# Altium PCB Copy of GameBoard_V1I1_083018.PcbDoc (part 16 of 21)
Units mil, origin at the board's own origin, x right, y up, seen from the top; angles counter-clockwise.
Board outline 7165.35 x 2763.78 mil, 12 copper layers (L1, L2, L3, L4, L5 (PWR), L6 (PWR), L7 (PWR), L8 (PWR), L9, L10, L11, L12), stack 61.575 mil thick; 1542 components, 1068 nets, 5447 pads, 3797 vias.
Unrouted connection lines stored in the file: 105.
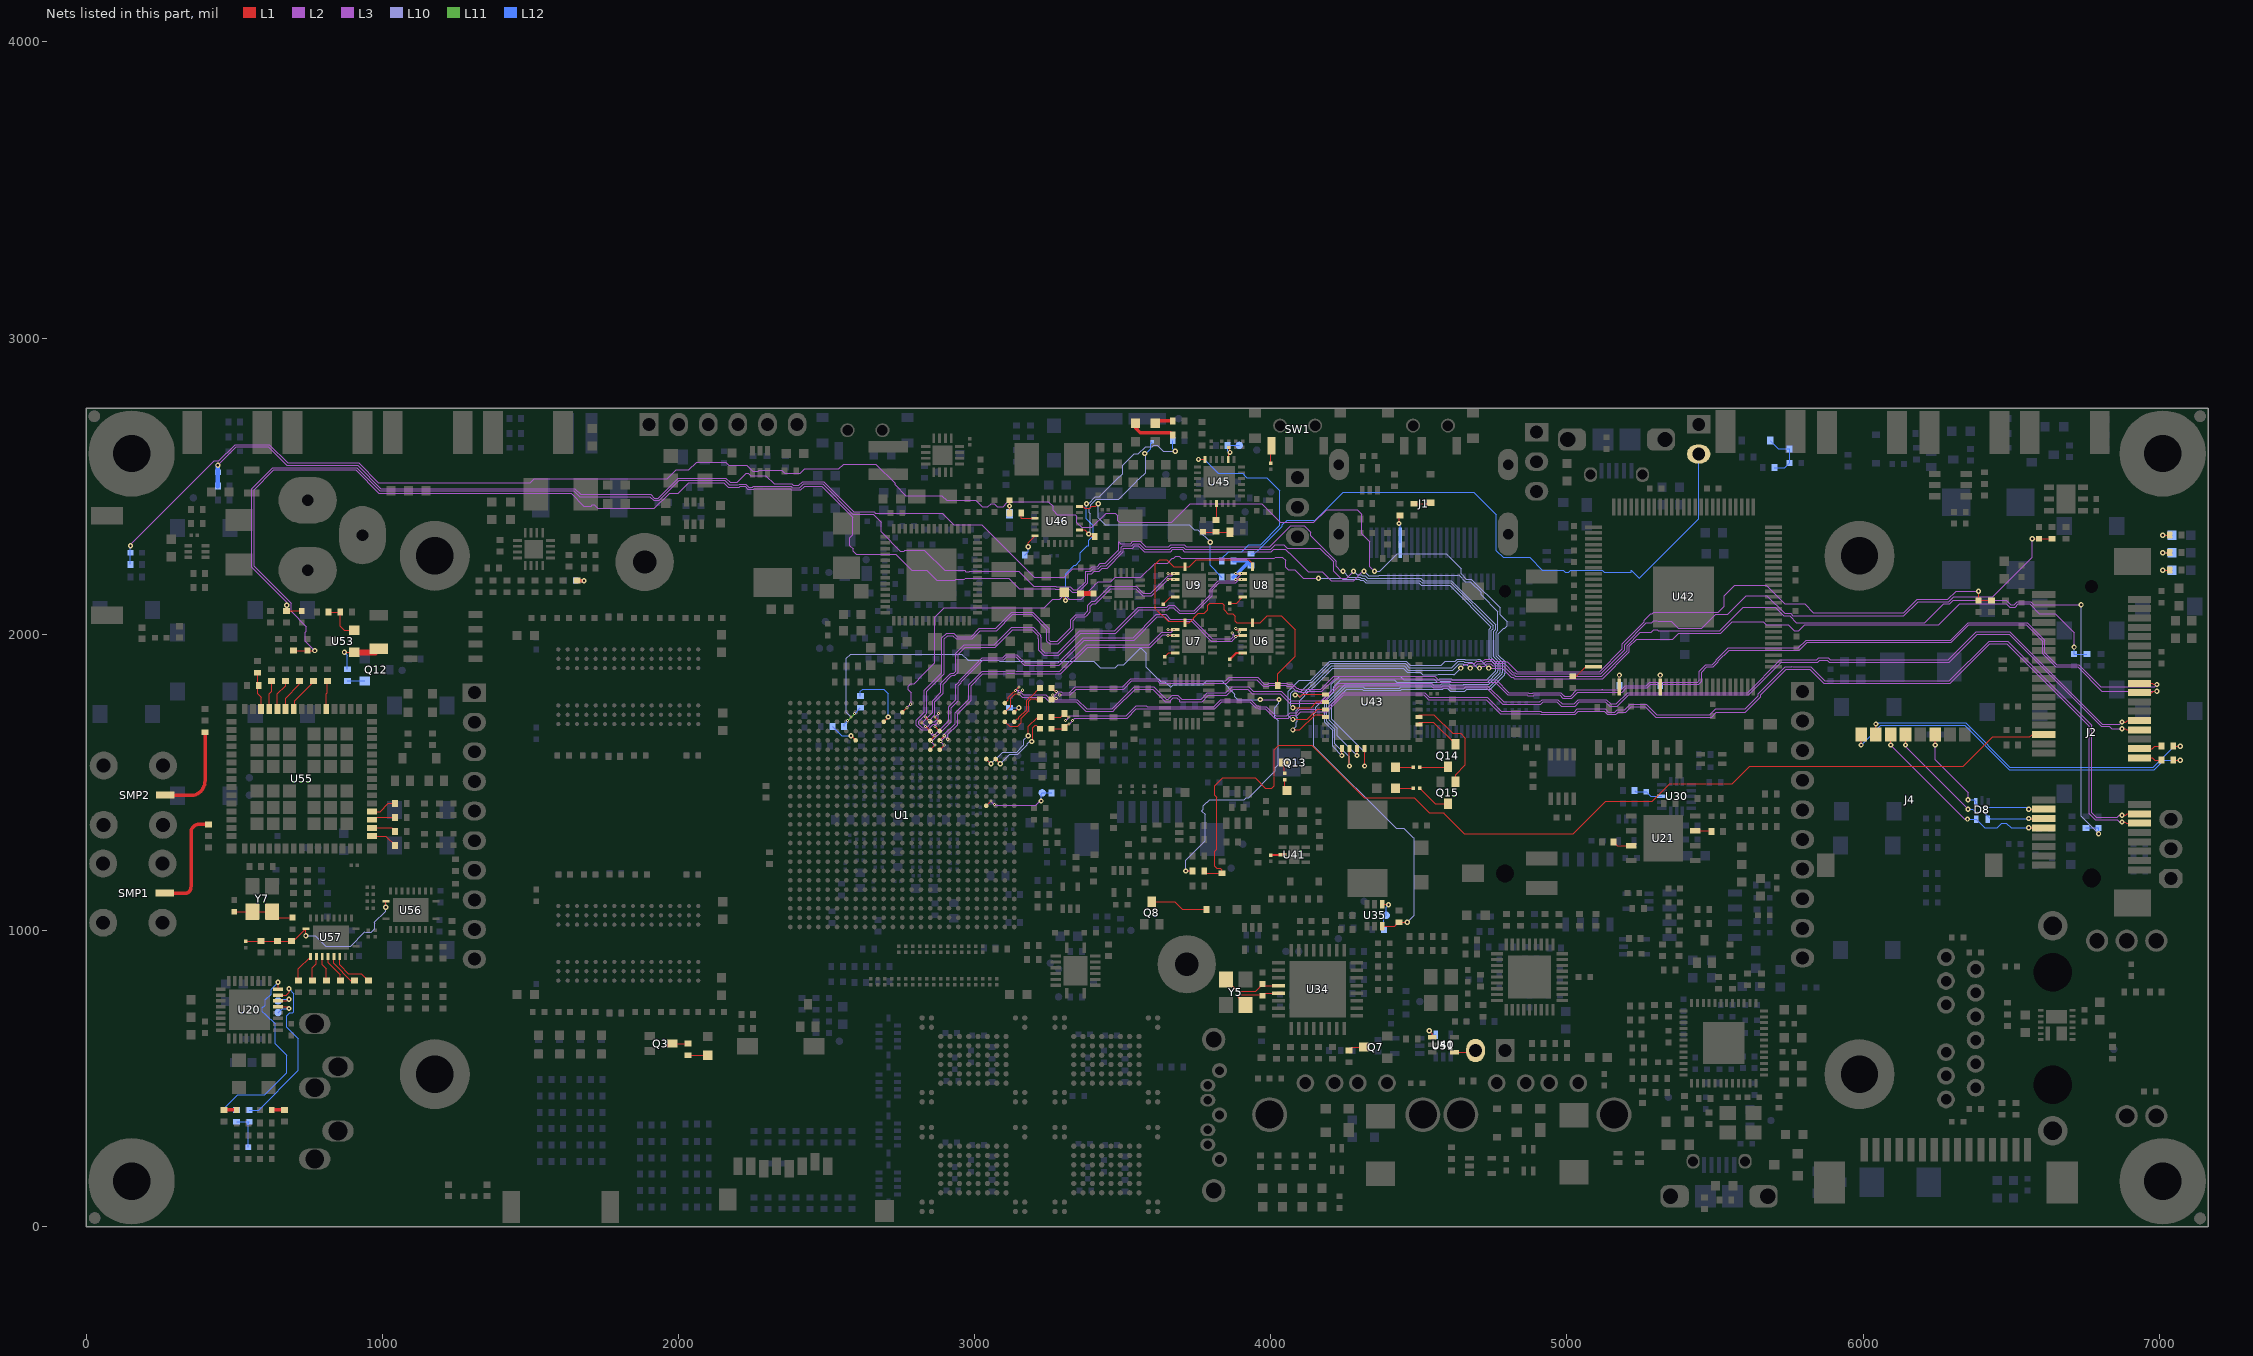
[diagram p26: the nets of this part, all layers, seen from the top]

## Via types
v1: diameter 17.72, hole 7.87, L1 to L12, 1936 vias
v2: diameter 17.72, hole 7.87, L1 to L12, tented both sides, 999 vias
v3: diameter 10.63, hole 3.94, L1 to L2, 337 vias
v4: diameter 10.63, hole 3.94, L2 to L3, 335 vias
v5: diameter 10.63, hole 3.94, L10 to L11, 96 vias
v6: diameter 10.63, hole 3.94, L11 to L12, 94 vias

## Nets (pads, with @x,y where several pads share a name; then routed paths per layer and width w, separated by ;. In a path a pad name is that pad's centre, name@x,y a point inside that pad or via, vN(x,y) a via of type N, cw(c..) or ccw(c..) an arc to the next point about the centre after c; other vN are vias at no path point) (continued)
MCU_SWDIO_SEL: R51.1 U1.N2 U35.6 | length 4302
  L1 w3.94: U1.N2@2755.91,1736.22 v3(2771.65,1751.97) ; U35.6@4375.98,1013.78 4419.29,1013.78 R51.1@4433.07,1027.56 v1(4460.63,1027.56)
  L3 w3.94: v4(2783.46,1763.78) 2786.42,1766.73 2786.42,1802.94 2776.57,1812.78 2776.57,1825.01 2785.22,1833.66 2796.2,1833.66 2826.77,1864.23 2826.77,1864.91 2866.14,1904.28 2866.14,2058.28 2897.43,2089.57 3029.99,2089.57 3235.24,2089.57 3263.78,2118.11 3288.39,2118.11 3288.39,2120.29 3297.03,2128.94 3309.26,2128.94 3317.91,2120.29 3317.91,2118.11 3359.5,2118.11 3406.19,2164.8 3406.19,2166.55 3417.79,2178.15 3460.42,2178.15 3474.2,2191.93 3561.85,2191.93 3610.08,2240.16 3652.35,2240.16 3668.1,2255.91 3672.03,2255.91 3678.92,2262.8 3691.15,2262.8 3698.04,2255.91 4012.23,2255.91 4016.17,2259.84 4039.37,2259.84 4049.99,2249.23 4049.99,2227.15 4058.64,2218.5 4080.71,2218.5 4110.24,2188.98 v1(4161.42,2188.98)
  L10 w3.94: v1(4161.42,2188.98) 4239.48,2188.98 4243.42,2185.04 4299.37,2185.04 4302.32,2182.09 4312.07,2182.09 4320.92,2173.23 4500.16,2173.23 4508.03,2165.35 4603.71,2165.35 4743.11,2025.96 4743.11,2022.79 4737.2,2016.89 4737.2,1916.86 4758.86,1895.2 4758.86,1876.45 4728.86,1846.46 4612.67,1846.46 4609.71,1849.41 4571.39,1849.41 4568.44,1846.46 4448.82,1846.46 4437.01,1858.27 4232.28,1858.27 4204.72,1830.71 4204.72,1807.64 4151.46,1754.37 4151.46,1737.95 4145.67,1732.16 4145.67,1622.05 4423.44,1344.28 4449.8,1344.28 4479.12,1314.96 4481.61,1314.96 4484.25,1312.32 4484.25,1051.18 v1(4460.63,1027.56)
  L2 w3.94: v3(2771.65,1751.97) v4(2783.46,1763.78)
MCU_XTALIN: C330.2 U34.4 Y5.1 | length 206.3
  L1 w3.94: Y5.1@3848.43,834.65 3887.8,795.28 3948.82,795.28 C330.2@3972.44,818.9 3977.36,813.98 U34.4@4026.57,813.98
MCU_XTALOUT: C332.2 U34.5 Y5.3 | length 185.8
  L1 w3.94: Y5.3@3915.35,748.03 3889.76,773.62 3889.76,779.53 3893.7,783.46 3968.5,783.46 C332.2@3972.44,779.53 3981.3,788.39 U34.5@4026.57,788.39
MIC_BIAS: C281.1 R206.1 U20.16 | length 696.9
  L1 w3.94: U20.16@648.03,801.18 v1(648.03,825.2)
  L12 w3.94: R206.1@507.87,393.7 C281.1@464.57,393.7 464.57,397.64 511.81,444.88 602.36,444.88 677.17,519.69 677.17,578.74 637.8,618.11 637.8,685.04 605.32,717.52 604.12,717.52 595.47,726.17 595.47,738.4 604.12,747.05 605.32,747.05 605.32,765.54 625,785.22 625,802.17 v1(648.03,825.2)
MIC_IN: C282.1 U20.15 | length 589.1
  L1 w3.94: U20.15@648.03,781.5 675.2,781.5 685.04,791.34 v1(685.04,803.15)
  L12 w3.94: C282.1@551.18,393.7 582.68,393.7 716.54,527.56 716.54,633.86 677.17,673.23 677.17,711.61 687.01,721.46 697.83,721.46 701.77,725.39 701.77,786.42 v1(685.04,803.15)
MIC_IN_C: C282.2 FB23.1 R206.2 | length 131.6
  L12 w3.94: R206.2@507.87,354.33 C282.2@551.18,354.33 547.24,350.39 FB23.1@547.24,267.72
MIC_LINEIN_L: TP12.1 U20.14 | length 78.9
  L1 w3.94: U20.14@648.03,761.81 679.13,761.81 v1(685.04,767.72)
  L12 w3.94: TP12.1@648.03,761.81 653.94,767.72 v1(685.04,767.72)
MIC_LINEIN_R: TP13.1 U20.13 | length 82.2
  L1 w3.94: U20.13@648.03,742.13 679.13,742.13 v1(685.04,736.22)
  L12 w3.94: TP13.1@648.03,722.44 661.81,736.22 v1(685.04,736.22)
MOV_LD: C398.1 R381.1 U43.39 | length 3971.3
  L1 w3.94: v1(4074.8,1751.97) 4136.3,1751.97 4155.98,1771.65 U43.39@4185.04,1771.65
  L3 w3.94: v1(4704.72,1885.83) 4704.72,1890.96 4706.48,1892.72 4722.23,1892.72 4730.11,1900.59 4742.34,1900.59 4749.23,1893.7 4785.07,1893.7 4815.98,1862.78 4821.7,1862.78 4826.21,1858.27 5116.97,1858.27 5202.91,1944.21 5202.91,1962.07 5248.03,2007.2 5285.53,2007.2 5293.1,2014.76 5305.33,2014.76 5308.28,2011.81 5516.11,2011.81 5594.86,2090.55 5703.22,2090.55 5731.46,2062.32 5751.97,2062.32 5774.92,2039.37 6208.66,2039.37 6271.65,2102.36 6293.25,2102.36 6305.06,2114.17 6483.06,2114.17 6497.82,2099.41 6510.05,2099.41 6520.88,2110.24 6565.58,2110.24 6576.4,2099.41 v1(6736.22,2099.41)
  L10 w3.94: v1(4074.8,1751.97) 4067.91,1758.86 4067.91,1801.39 4076.56,1810.04 4088.79,1810.04 4092.73,1806.1 4101.38,1806.1 4132.87,1837.6 4138.04,1837.6 4202.02,1901.57 4453.43,1901.57 4468.2,1886.81 4610.7,1886.81 4632.36,1908.46 4651.11,1908.46 4654.06,1905.51 4679.35,1905.51 4699.03,1885.83 v1(4704.72,1885.83) ; v1(6736.22,2099.41) 6736.22,1385.83 v1(6795.28,1326.77)
  L12 w3.94: R381.1@6751.97,1346.46 C398.1@6795.28,1346.46 v1(6795.28,1326.77)
MOV_LL: C397.1 R383.1 U43.40 | length 3279.8
  L1 w3.94: v1(4074.8,1712.6) 4122.72,1712.6 4146.34,1736.22 4148.11,1736.22 4159.92,1748.03 4161.89,1746.06 U43.40@4185.04,1746.06
  L3 w3.94: v1(4736.22,1885.83) 4781.8,1885.83 4812.72,1854.91 4818.43,1854.91 4822.95,1850.39 5120.23,1850.39 5210.78,1940.94 5210.78,1958.81 5235.24,1983.27 5357.28,1983.27 5377.95,2003.94 5519.38,2003.94 5557.76,2042.32 5662.61,2042.32 5673.44,2031.5 5748.03,2031.5 5767.72,2011.81 5782.79,2011.81 5802.47,2031.5 6254.67,2031.5 6325.8,2102.62 6483.47,2102.62 6494.56,2091.54 6513.31,2091.54 6524.14,2102.36 6562.32,2102.36 6594.8,2069.88 6648.56,2069.88 6712.6,2005.85 v1(6712.6,1956.69) v1@6712.6,1952.76
  L10 w3.94: v1(4074.8,1712.6) 4070.87,1712.6 4059.06,1724.41 4059.06,1808.28 4096.25,1845.47 4134.78,1845.47 4198.76,1909.45 4456.69,1909.45 4471.46,1894.69 4575.11,1894.69 4589.88,1909.45 4622.2,1909.45 4629.09,1916.34 4654.37,1916.34 4657.32,1913.39 4696.17,1913.39 4699.13,1916.34 4705.71,1916.34 v1(4736.22,1885.83)
  L12 w3.94: v1(6712.6,1956.69) C397.1@6712.6,1933.07 R383.1@6755.91,1933.07
MOV_LR: C396.1 R388.1 U43.41 | length 2932.3
  L1 w3.94: v1(4074.8,1677.17) 4098.43,1677.17 4149.61,1728.35 4177.17,1728.35 U43.41@4185.04,1720.47 ; v1(6389.76,2145.67) C396.1@6389.76,2114.17 R388.1@6433.07,2114.17
  L3 w3.94: v1(4641.73,1885.83) 4654.19,1898.28 4664.81,1898.28 4668.1,1901.57 4688.46,1901.57 4695.35,1908.46 4715.71,1908.46 4723.58,1916.34 4748.86,1916.34 4755.75,1909.45 4791.59,1909.45 4793.56,1907.48 4799.27,1907.48 4832.74,1874.02 5110.45,1874.02 5187.16,1950.73 5187.16,1968.6 5260.83,2042.26 5260.83,2047.4 5283.31,2069.88 5288.44,2069.88 5293.37,2074.8 5511.81,2074.8 5531.5,2094.49 5531.5,2129.92 5566.93,2165.35 5673.23,2165.35 5736.22,2102.36 5803.15,2102.36 5832.06,2073.45 6137.8,2073.45 6182.45,2118.11 6286.73,2118.11 6314.29,2145.67 v1(6389.76,2145.67)
  L10 w3.94: v1(4074.8,1677.17) 4086.61,1688.98 4086.61,1703.53 4089.57,1706.48 4089.57,1718.71 4086.61,1721.67 4086.61,1742.9 4089.57,1745.85 4089.57,1747.61 4097.52,1755.56 4097.52,1776.04 4114.17,1792.69 4114.17,1793.37 4142.65,1821.85 4144.57,1821.85 4208.54,1885.83 4446.91,1885.83 4461.67,1871.06 4505.14,1871.06 4513.32,1862.88 4562.59,1862.88 4564.87,1865.16 4616.24,1865.16 4618.51,1862.88 4618.79,1862.88 v1(4641.73,1885.83)
MOV_LU: C399.1 R380.1 U43.38 | length 3075.2
  L1 w3.94: v1(4082.68,1795.28) 4090.55,1795.28 4098.43,1787.4 4108.27,1797.24 U43.38@4185.04,1797.24 ; v1(6570.87,2322.83) C399.1@6594.49,2322.83 R380.1@6637.8,2322.83
  L3 w3.94: v1(4673.23,1885.83) 4681.1,1893.7 4691.72,1893.7 4698.61,1900.59 4718.97,1900.59 4726.84,1908.46 4745.6,1908.46 4752.49,1901.57 4788.33,1901.57 4819.24,1870.66 4824.96,1870.66 4829.47,1866.14 5113.71,1866.14 5195.03,1947.47 5195.03,1965.34 5268.7,2039 5285.84,2039 5293.1,2046.26 5305.33,2046.26 5308.28,2043.31 5351.69,2043.31 5375.31,2019.68 5455.5,2019.68 5502.74,2066.93 5543.31,2066.93 5606.3,2129.92 5674.99,2129.92 5734.72,2070.19 5755.23,2070.19 5763.1,2062.32 6137.8,2062.32 6185.72,2110.24 6289.99,2110.24 6305.74,2125.98 6437.01,2125.98 6570.87,2259.84 v1(6570.87,2322.83)
  L10 w3.94: v1(4082.68,1795.28) 4089.88,1795.28 4097.75,1787.4 4106.3,1795.95 4106.3,1796.63 4139.39,1829.72 4141.3,1829.72 4205.28,1893.7 4450.17,1893.7 4464.93,1878.94 4613.96,1878.94 4635.62,1900.59 4647.85,1900.59 4650.8,1897.64 4661.42,1897.64 v1(4673.23,1885.83)
MOV_RD: C404.1 R400.1 U43.3 | length 6381.7
  L1 w3.94: v1(677.17,2098.43) R400.1@677.17,2078.74 C404.1@728.35,2078.74 ; v1(4265.75,1555.12) U43.3@4265.75,1614.17
  L3 w3.94: v1(677.17,2098.43) 677.17,2108.17 559.06,2226.28 559.06,2491.45 630.6,2562.99 913.39,2562.99 992.13,2484.25 1647.02,2484.25 1666.71,2464.57 1903.02,2464.57 1915.82,2451.77 1934.57,2451.77 2002.49,2519.68 2156.96,2519.68 2171.73,2504.92 2202.7,2504.92 2204.77,2506.98 2228.04,2506.98 2237.98,2497.05 2250.21,2497.05 2253.16,2500 2380.08,2500 2385,2495.08 2410.28,2495.08 2423.07,2507.87 2486.84,2507.87 2589.2,2405.51 2657.48,2405.51 2684.05,2378.94 2684.05,2346.25 2749.79,2280.51 2762.02,2280.51 2764.97,2283.46 2830.71,2283.46 2898.62,2215.55 2966.33,2215.55 2970.26,2211.61 2982.49,2211.61 2983.48,2212.6 3149.61,2212.6 3199.8,2162.4 3273.83,2162.4 3275.8,2160.43 3322.31,2160.43 3333.14,2149.61 3346.46,2149.61 3374.69,2177.84 3374.69,2212.6 3392.82,2212.6 3400.69,2220.47 3417.48,2220.47 3428.31,2231.3 3444.42,2231.3 3494.86,2281.75 3494.86,2293.4 3499.69,2298.23 3529.99,2298.23 3537.87,2306.1 3556.62,2306.1 3575.32,2287.4 3658.99,2287.4 3665.88,2294.29 3704.2,2294.29 3711.09,2287.4 3999.19,2287.4 4014.93,2303.15 4044.63,2303.15 4056.44,2291.34 4165.35,2291.34 4212.6,2244.09 4212.6,2212.6 4236.22,2188.98 4255.91,2188.98 v1(4279.53,2212.6)
  L10 w3.94: v1(4265.75,1555.12) 4265.75,1585.84 4246.27,1605.31 4241.14,1605.31 4216.54,1629.92 4216.54,1679.75 4189.57,1706.72 4189.57,1769.66 4250.03,1830.12 4314.96,1830.12 4315.1,1829.98 4574.23,1829.98 4577.91,1833.66 4603.19,1833.66 4606.87,1829.98 4650.43,1829.98 4651.16,1830.71 4735.39,1830.71 4774.61,1869.93 4774.61,1874.38 4775.59,1875.37 4775.59,1900.74 4752.95,1923.38 4752.95,2010.37 4758.86,2016.27 4758.86,2032.48 4610.24,2181.1 4514.55,2181.1 4506.68,2188.98 4327.45,2188.98 4318.59,2197.83 4308.85,2197.83 4305.89,2200.79 4291.34,2200.79 v1(4279.53,2212.6)
MOV_RL: C403.1 R402.1 U43.4 | length 6596.9
  L1 w3.94: R402.1@700.79,1944.88 C403.1@748.03,1944.88 v1(771.65,1944.88) ; v1(4291.34,1590.55) U43.4@4291.34,1614.17
  L3 w3.94: v1(771.65,1944.88) 740.16,1976.38 740.16,2007.66 743.11,2010.62 743.11,2025.8 691.93,2076.98 691.93,2104.54 566.93,2229.54 566.93,2488.19 633.86,2555.12 910.12,2555.12 988.86,2476.38 1637.8,2476.38 1681.1,2433.07 1705.4,2433.07 1709.34,2437.01 1715.86,2437.01 1727.67,2425.2 1919.13,2425.2 1970.32,2476.38 2000,2476.38 2035.43,2511.81 2153.7,2511.81 2168.46,2497.05 2205.96,2497.05 2208.03,2499.11 2224.78,2499.11 2234.72,2489.17 2253.47,2489.17 2256.42,2492.13 2376.82,2492.13 2381.74,2487.2 2413.54,2487.2 2426.33,2500 2483.58,2500 2588.37,2395.21 2588.37,2335.48 2578.74,2325.85 2578.74,2299.73 2589.57,2288.9 2589.57,2280.51 2600.39,2269.68 2734.25,2269.68 2787.4,2216.54 2838.58,2216.54 2872.05,2183.07 2935.04,2183.07 2937.01,2185.04 2965.34,2185.04 2970.26,2189.96 3115.93,2189.96 3151.36,2154.53 3270.57,2154.53 3272.54,2152.56 3319.05,2152.56 3329.88,2141.73 3349.72,2141.73 3382.57,2174.58 3382.57,2204.72 3396.08,2204.72 3403.96,2212.6 3420.74,2212.6 3431.57,2223.43 3447.68,2223.43 3502.74,2278.49 3502.74,2290.14 3502.95,2290.35 3533.25,2290.35 3541.13,2298.23 3553.36,2298.23 3572.06,2279.53 3662.25,2279.53 3669.14,2286.42 3700.94,2286.42 3707.83,2279.53 4002.45,2279.53 4010.32,2287.4 4049.24,2287.4 4060.66,2275.98 4062.6,2275.98 4126.97,2211.61 4173.54,2211.61 4204.05,2181.1 4279.53,2181.1 4311.02,2212.6 v1(4314.96,2212.6)
  L10 w3.94: v1(4291.34,1590.55) 4224.41,1657.48 4224.41,1683.01 4197.44,1709.98 4197.44,1766.4 4253.29,1822.24 4311.7,1822.24 4315.72,1818.22 4435.66,1818.22 4439.54,1822.11 4577.49,1822.11 4581.17,1825.79 4599.93,1825.79 4609.77,1815.94 4651.78,1815.94 4658.67,1822.83 4738.65,1822.83 4782.48,1866.67 4782.48,1871.12 4783.46,1872.11 4783.46,1904 4760.83,1926.64 4760.83,2007.1 4766.73,2013.01 4766.73,2076.77 4710.41,2133.09 4710.41,2142.01 4674.27,2178.15 4657.33,2178.15 4634.84,2200.64 4633.64,2199.44 4366.14,2199.44 4364.54,2197.83 4344.28,2197.83 4343.89,2198.22 4342.52,2196.85 4330.71,2196.85 v1(4314.96,2212.6)
MOV_RR: C402.1 R403.1 U43.5 | length 6687.5
  L1 w3.94: v1(4316.93,1555.12) U43.5@4316.93,1614.17
  L3 w3.94: v1(149.61,2299.21) 149.61,2303.15 432.09,2585.63 448.51,2585.63 503.63,2640.75 619.09,2640.75 681.1,2578.74 919.91,2578.74 986.84,2511.81 1500,2511.81 1512.8,2524.61 1961.61,2524.61 1992.13,2555.12 2034.91,2555.12 2061.49,2581.69 2158.98,2581.69 2169.81,2570.87 2230.93,2570.87 2250.62,2551.18 2270.19,2551.18 2273.14,2554.13 2349.53,2554.13 2359.37,2544.29 2410.95,2544.29 2425.72,2559.06 2541.96,2559.06 2557.7,2574.8 2666.55,2574.8 2731.3,2510.05 2731.3,2504.92 2767.72,2468.5 2889.51,2468.5 2905.26,2452.76 3003.42,2452.76 3026.06,2430.12 3044.81,2430.12 3055.64,2440.94 3066.41,2440.94 3077.24,2430.12 3095.99,2430.12 3103.35,2437.47 3103.35,2439.19 3111.99,2447.83 3249.02,2447.83 3264.76,2432.09 3264.76,2419.08 3279.59,2404.25 3340,2404.25 3345.2,2399.05 3345.2,2376.78 3360.97,2361.01 3396.29,2361.01 3443.74,2408.46 3474.62,2408.46 3483.27,2399.82 3483.27,2384.07 3489.38,2377.95 3665.35,2377.95 3728.35,2440.94 3969.7,2440.94 4032.69,2377.95 4145.67,2377.95 4188.98,2421.26 4291.34,2421.26 4307.09,2405.51 4307.09,2339.26 4334.65,2311.7 4334.65,2228.35 v1(4350.39,2212.6)
  L10 w3.94: v1(4316.93,1555.12) 4316.93,1601.63 4205.31,1713.24 4205.31,1763.13 4256.55,1814.37 4308.44,1814.37 4312.46,1810.35 4438.92,1810.35 4442.8,1814.23 4580.75,1814.23 4584.44,1817.91 4596.67,1817.91 4606.51,1808.07 4655.05,1808.07 4661.94,1814.96 4741.91,1814.96 4790.35,1863.4 4790.35,1867.86 4791.34,1868.84 4791.34,1907.27 4768.7,1929.9 4768.7,2002.18 4787.19,2020.67 4789.58,2020.67 4798.23,2029.32 4798.23,2041.55 4774.61,2065.17 4774.61,2088.95 4677.53,2186.02 4660.59,2186.02 4642.72,2203.9 4642.72,2220.84 4591.9,2271.65 4427.22,2271.65 4368.17,2212.6 v1(4350.39,2212.6)
  L12 w3.94: R403.1@149.61,2236.22 C402.1@149.61,2275.59 v1(149.61,2299.21)
MOV_RU: C405.1 R398.1 U43.2 | length 5995.9
  L1 w3.94: v1(4240.16,1590.55) U43.2@4240.16,1614.17
  L3 w3.94: v1(444.88,2570.87) 506.89,2632.87 615.16,2632.87 677.17,2570.87 916.65,2570.87 995.39,2492.13 1650.28,2492.13 1669.97,2472.44 1906.29,2472.44 1919.08,2459.65 1931.31,2459.65 1999.23,2527.56 2160.22,2527.56 2174.99,2512.8 2197.83,2512.8 2228.35,2543.31 2236.22,2543.31 2244.09,2535.43 2295.28,2535.43 2322.83,2507.87 2383.34,2507.87 2388.26,2502.95 2407.01,2502.95 2419.81,2515.75 2490.1,2515.75 2592.46,2413.39 2660.74,2413.39 2664.68,2409.45 2891.1,2409.45 2930.34,2370.22 3023.48,2370.22 3201.77,2191.93 3302.17,2191.93 3330.71,2220.47 3389.56,2220.47 3397.43,2228.35 3414.22,2228.35 3425.05,2239.17 3441.15,2239.17 3486.99,2285.01 3486.99,2312.01 3492.9,2306.1 3526.73,2306.1 3534.61,2313.98 3559.88,2313.98 3578.58,2295.28 3655.73,2295.28 3662.62,2302.17 3707.46,2302.17 3714.35,2295.28 3995.93,2295.28 4067.19,2366.54 4113.92,2366.54 4135.83,2344.63 4135.83,2332 4220.47,2247.36 4220.47,2229.02 4236.9,2212.6 v1(4244.09,2212.6)
  L10 w3.94: v1(4240.16,1590.55) 4208.66,1622.05 4208.66,1676.49 4181.69,1703.46 4181.69,1772.92 4212.6,1803.83 4212.6,1822.83 4236.22,1846.46 4416.65,1846.46 4425.25,1837.85 4570.97,1837.85 4574.65,1841.54 4606.45,1841.54 4610.13,1837.85 4647.17,1837.85 4647.9,1838.58 4732.13,1838.58 4766.73,1873.19 4766.73,1877.64 4767.72,1878.63 4767.72,1897.48 4745.08,1920.12 4745.08,2013.63 4750.98,2019.53 4750.98,2029.22 4606.97,2173.23 4511.29,2173.23 4503.42,2181.1 4324.19,2181.1 4315.33,2189.96 4305.58,2189.96 4302.63,2192.91 4263.78,2192.91 v1(4244.09,2212.6)
  L12 w15.75: R398.1@444.88,2500 C405.1@444.88,2547.24 v1(444.88,2570.87)
MPCIE_SIM_C4: J4.C4 R153.1 | length 1179.6
  L1 w3.94: J4.C4@6043.31,1661.42 v1(6043.31,1696.85) ; R153.1@7047.24,1622.05 v1(7070.87,1622.05)
  L12 w3.94: v1(6043.31,1696.85) 6047.24,1700.79 6346.46,1700.79 6496.06,1551.18 6980.31,1551.18 7051.18,1622.05 v1(7070.87,1622.05)
MPCIE_SIM_C4_R: J2.19 R153.2 | length 78.1
  L1 w3.94: J2.19@6933.07,1614.17 6976.38,1614.17 6984.25,1622.05 R153.2@7007.87,1622.05
MPCIE_SIM_C8: J4.C8 R152.1 | length 1239.4
  L1 w3.94: v1(5993.31,1625.98) J4.C8@5993.31,1661.42 ; R152.1@7047.24,1574.8 v1(7070.87,1574.8)
  L12 w3.94: v1@5993.32,1625.98 6058.07,1690.73 6060.24,1692.91 6343.2,1692.91 6492.8,1543.31 6983.58,1543.31 7015.07,1574.8 v1(7070.87,1574.8)
MPCIE_SIM_C8_R: J2.17 R152.2 | length 78.1
  L1 w3.94: J2.17@6933.07,1582.68 6976.38,1582.68 6984.25,1574.8 R152.2@7007.87,1574.8
MPCIE_SIM_CLK: D8.4 J2.12 J4.C3 | length 608.3
  L1 w3.94: v1(6143.31,1625.98) J4.C3@6143.31,1661.42 ; v1(6559.06,1377.95) J2.12@6610.24,1377.95
  L3 w3.94: v1(6143.31,1625.98) 6143.31,1620.47 v1(6354.33,1409.45)
  L12 w3.94: v1(6354.33,1409.45) 6370.08,1409.45 6377.95,1401.57 6405.51,1401.57 6429.13,1377.95 v1(6559.06,1377.95)
MPCIE_SIM_DATA: D8.5 J2.10 J4.C7 | length 681.2
  L1 w3.94: v1(6093.31,1625.98) J4.C7@6093.31,1661.42 ; v1(6559.06,1346.46) J2.10@6610.24,1346.46
  L3 w3.94: v1(6093.31,1625.98) 6343.3,1375.99 v1(6352.36,1375.99)
  L12 w3.94: v1(6352.36,1375.99) D8.5@6381.89,1375.99 6411.42,1346.46 6452.76,1346.46 6468.5,1362.2 6484.25,1362.2 6500,1346.46 v1(6559.06,1346.46)
MPCIE_SIM_RST: D8.1 J2.14 J4.C2 | length 538.3
  L1 w3.94: v1(6243.31,1625.98) J4.C2@6243.31,1661.42 ; v1(6559.06,1409.45) J2.14@6610.24,1409.45
  L3 w3.94: v1(6243.31,1625.98) 6243.31,1575.59 6354.33,1464.57 v1(6354.33,1440.94)
  L12 w3.94: v1(6354.33,1440.94) 6374.49,1440.94 D8.1@6380.39,1435.04 6380.39,1430.16 6394.21,1416.34 6552.16,1416.34 v1(6559.06,1409.45)
MX6_HDMI_CLK_N: U1.J5 U7.3 | length 1054.9
  L1 w3.94: U1.J5@2881.89,1641.73 v3(2897.64,1657.48) ; v3(3653.54,1996.06) U7.3@3677.17,1996.06
  L3 w3.94: v4(2909.45,1645.67) 2909.45,1662.09 2942.58,1695.22 2942.58,1731.89 2988.19,1777.5 2988.19,1826.77 3028.16,1866.74 3043.31,1866.74 3043.5,1866.93 3107.25,1866.93 3109.41,1869.09 3134.69,1869.09 3136.85,1866.93 3291.45,1866.93 3381.21,1956.69 3593.81,1956.69 3635.49,1998.37 3670.92,1998.37 v4(3673.23,1996.06)
  L2 w3.94: v3(2897.64,1657.48) v4(2909.45,1645.67) ; v3(3653.54,1996.06) v4(3673.23,1996.06)
MX6_HDMI_CLK_P: U1.J6 U7.2 | length 1085.3
  L1 w3.94: U1.J6@2881.89,1610.24 v3(2897.64,1625.98) ; v3(3653.54,2015.75) U7.2@3677.17,2015.75
  L3 w3.94: v4(2885.83,1637.8) 2898.23,1650.2 2898.23,1662.01 2934.7,1698.48 2934.7,1735.15 2980.32,1780.76 2980.32,1830.03 3025.28,1875 3104.18,1875 3106.15,1876.97 3137.95,1876.97 3140.11,1874.81 3288.19,1874.81 3377.95,1964.57 3590.55,1964.57 3632.23,2006.24 3663.72,2006.24 v4(3673.23,2015.75)
  L2 w3.94: v4(2885.83,1637.8) v3(2897.64,1625.98) ; v3(3653.54,2015.75) v4(3673.23,2015.75)
MX6_HDMI_D0_N: U1.K5 U6.3 | length 1412.5
  L1 w3.94: U1.K5@2850.39,1641.73 v3(2866.14,1657.48) ; v3(3881.89,1992.13) 3885.83,1996.06 U6.3@3905.51,1996.06
  L3 w3.94: v4(2854.33,1669.29) 2854.33,1661.91 2858.27,1657.97 2862.7,1657.97 2913.39,1708.66 2913.39,1755.85 2918,1760.46 2918.61,1760.46 2935.38,1777.22 2937.01,1778.85 2937.01,1831.69 2939.19,1831.69 2947.83,1840.34 2947.83,1842.83 3026.27,1921.26 3094.49,1921.26 3104.67,1931.44 3142.69,1931.44 3170.37,1903.75 3282.38,1903.75 3366.82,1988.19 3535.43,1988.19 3614.17,2066.93 3644.99,2066.93 3660.74,2051.18 3736.22,2051.18 3802.56,1984.84 3866.73,1984.84 3874.02,1992.13 3874.02,2000 v4(3870.08,2003.94)
  L2 w3.94: v4(2854.33,1669.29) v3(2866.14,1657.48) ; v4(3870.08,2003.94) v3(3881.89,1992.13)
MX6_HDMI_D0_P: U1.K6 U6.2 | length 1431.2
  L1 w3.94: U1.K6@2850.39,1610.24 v3(2866.14,1625.98) ; v3@3878.63,2019.68 3882.57,2015.75 U6.2@3905.51,2015.75
  L3 w3.94: v4(2854.33,1637.8) 2921.26,1704.73 2921.26,1752.58 2921.88,1752.58 2944.88,1775.59 2944.88,1826.25 2955.71,1837.08 2955.71,1839.57 3029.53,1913.39 3097.75,1913.39 3107.93,1923.57 3139.43,1923.57 3167.11,1895.88 3285.64,1895.88 3370.08,1980.31 3538.69,1980.31 3617.43,2059.06 3641.73,2059.06 3657.48,2043.31 3732.96,2043.31 3799.3,1976.97 3869.99,1976.97 3872.3,1979.27 3893.7,2000.68 v4(3893.7,2007.87)
  L2 w3.94: v4(2854.33,1637.8) v3(2866.14,1625.98) ; v3(3881.89,2019.68) v4(3893.7,2007.87)
MX6_HDMI_D1_N: U1.J3 U9.3 | length 1528.3
  L1 w3.94: v3(2866.14,1720.47) U1.J3@2881.89,1704.73 ; v3(3653.54,2185.04) U9.3@3677.17,2185.04
  L3 w3.94: v4(2877.95,1732.28) 2877.95,1717.21 2864.76,1704.01 2857.68,1704.01 2838.7,1685.04 2822.72,1685.04 2811.62,1696.14 2811.62,1706.7 2838.58,1733.67 2838.58,1807.09 2897.64,1866.14 2897.64,1984.25 2908.77,1995.39 2926.55,1995.39 2937.68,1984.25 2991.45,1984.25 3019.01,2011.81 3074.13,2011.81 3129.25,2066.93 3192.91,2066.93 3244.09,2015.75 3244.09,1977.05 3252.98,1968.17 3256.24,1968.17 3283.13,1968.17 3294.6,1979.64 3333.02,2018.05 3333.02,2046.29 3345.11,2058.38 3373.34,2058.38 3377.95,2062.99 3390.75,2075.79 3390.75,2094.7 3399.4,2103.35 3409.76,2103.35 3459.95,2153.54 3543.31,2153.54 3566.93,2129.92 3597.75,2129.92 3656.8,2188.98 3669.29,2188.98 v4(3673.23,2185.04)